# Altium PCB MIC.PcbDoc
Units mil, origin at the board's own origin, x right, y up, seen from the top; angles counter-clockwise.
Board outline 10480 x 1455 mil, 2 copper layers (Top Layer, Bottom Layer); 17 components, 14 nets, 104 pads, 0 vias.
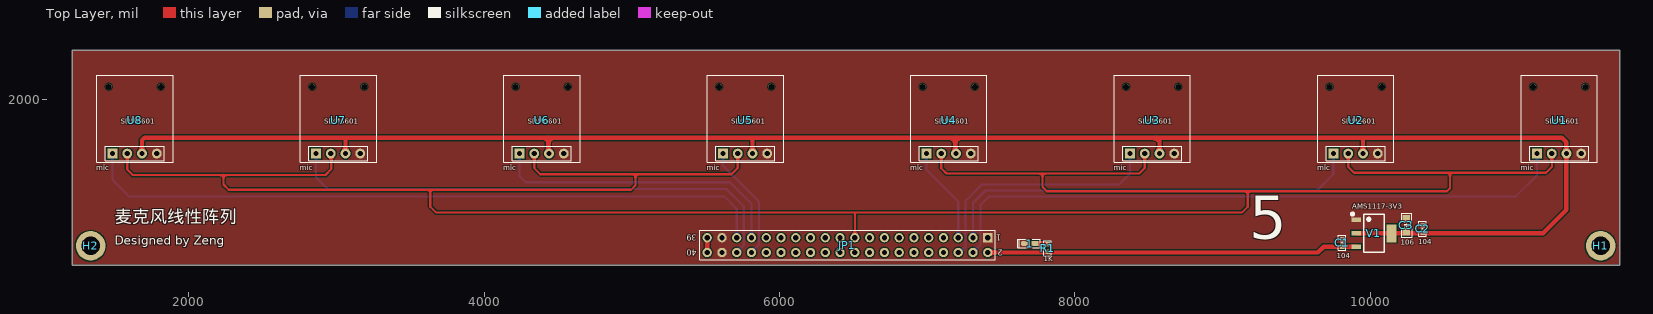
[diagram p0: Top Layer view]
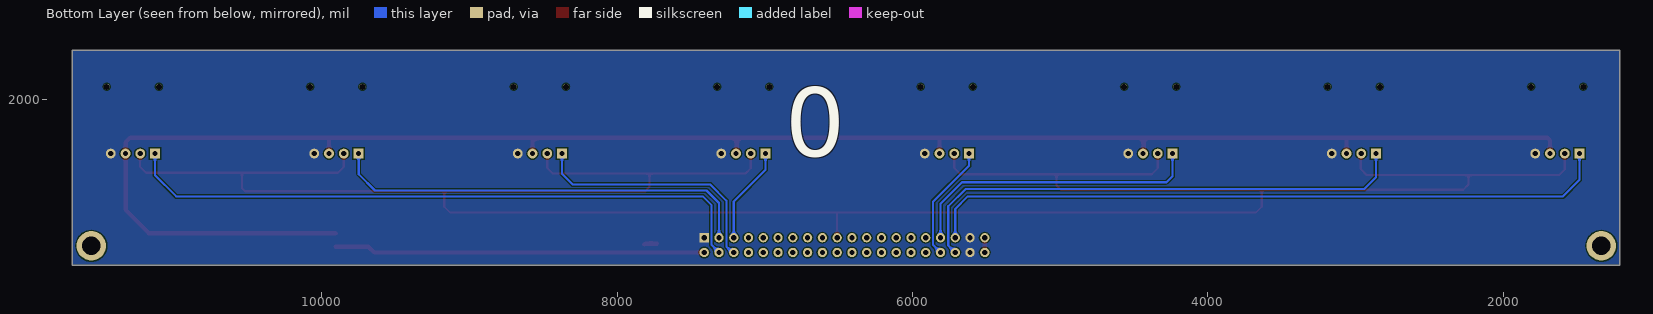
[diagram p1: Bottom Layer view, seen from below]

## Layer stack, top to bottom
Top Solder: solder mask 0.4, Solder Resist, Dk 3.5
Top Layer: signal copper 1.4
Dielectric 1: dielectric 12.6, FR-4, Dk 4.8
Bottom Layer: signal copper 1.4
Bottom Solder: solder mask 0.4, Solder Resist, Dk 3.5

## Board outline
1210,880 1210,2335 11690,2335 11690,880

## Design rules (kind name [scope] priority, off if disabled: settings)
BoardOutlineClearance [All] p1: gap=5 ignorepadtopadclearanceinfootprint=FALSE
Clearance Clearance_2 [InNamedPolygon('24V_L02_P042')] p1: gap=20 ignorepadtopadclearanceinfootprint=FALSE
Clearance Clearance_1 [InNamedPolygon('24V_L02_P042')] p2: gap=10 ignorepadtopadclearanceinfootprint=FALSE except(0: Arc-Hole Track-Hole SMDPad-Hole THPad-Hole Via-Hole Fill-Hole Poly-Hole Region-Hole Text-Hole)
Clearance Clearance_keepoutlayer [(InLayerClass('Signal Layers')) vs (OnLayer('Keep-Out Layer'))] p3: gap=10 ignorepadtopadclearanceinfootprint=FALSE
Clearance Clearance_inpolygon [InPolygon] p4: gap=8 ignorepadtopadclearanceinfootprint=FALSE
Clearance [All] p5: gap=5.5 ignorepadtopadclearanceinfootprint=FALSE
ComponentClearance [All] p1: gap=0 collisioncheckmode=3 verticalgap=0 showdistances=FALSE
HoleSize [All] p1: absolutevalues=TRUE maxlimit=1000 minlimit=1 maxpercent=80.000 minpercent=20.000
HoleToHoleClearance [All] p1: gap=6 allowstackedmicrovias=TRUE
MinimumSolderMaskSliver [All] p1: minsoldermaskwidth=0
PlaneClearance [All] p1: clearance=6
PlaneConnect [All] p1: planeconnectstyle=Direct reliefexpansion=20 reliefentries=4 reliefconductorwidth=10 reliefairgap=10
PolygonConnect [All] p1: connectstyle=Direct reliefconductorwidth=10 reliefentries=4 polygonreliefangle="90 Angle" airgapwidth=10
RoutingVias [All] p1: holewidth=12 width=24 viastyle="Through Hole" minholewidth=11 minwidth=22 maxholewidth=24 maxwidth=40
SilkToSilkClearance [All] p1: silktosilkclearance=1
SilkToSolderMaskClearance [IsPad] p1: minsilkscreentomaskgap=0 clearancetoexposedcopper=TRUE
SolderMaskExpansion [All] p1: expansion=4 istentingtop=FALSE
Width Width_GND [InNet('GND')] p1: maxlimit=100 minlimit=10 preferedwidth=30
Width Width_power [InNetClass('pwr')] p2: maxlimit=100 minlimit=10 preferedwidth=20
Width [All] p3: maxlimit=100 minlimit=6 preferedwidth=10
22 further rules are at their usual default settings.

## Components (designator, comment, footprint, x,y, rotation, side; value= is the part's Value field where it differs from the comment)
1 "蓝色" "LED 0603B" 7695,1025.26 r180 top
C1 "104" "C 0603_L" 9810,1030 r90 top
C2 "104" "C 0603_L" 10355,1125 r90 top
C3 "106" "C 0805_M" 10245,1150 r90 top
H1 "M3" "M3 125X200" 11560,1010 r90 top
H2 "M3" "M3 125X200" 1335,1010 r90 top
JP1 "Header 2X11" HDR2.54-LI-2x20P 6460,1015 r180 top
R1 "1K" "R 0603_L" 7815,994.41 r90 top
U1 "mic" SDM6601 11023.62,1574.8 r0 top
U2 "mic" SDM6601 9645.67,1574.8 r0 top
U3 "mic" SDM6601 8267.72,1574.8 r0 top
U4 "mic" SDM6601 6889.76,1574.8 r0 top
U5 "mic" SDM6601 5511.81,1574.8 r0 top
U6 "mic" SDM6601 4133.86,1574.8 r0 top
U7 "mic" SDM6601 2755.91,1574.8 r0 top
U8 "mic" SDM6601 1377.95,1574.8 r0 top
V1 "AMS1117-3V3" SOT223_L 10025,1095 r270 top

## Footprints (in the part's own frame and the unit in brackets; to place one, negate y for a bottom-side part, rotate by r counter-clockwise, add the part's x,y. Pads: shape width x height; smd on the part's side, far side on the other; paste and mask are expansions set on the pad)
"C 0603_L" [mil] "无极性贴片电容"
  rect 30x30 smd: 1(-25.59,0) 2(25.59,0)
  silkscreen extent -51,-26 51,26, body extent -31,-16 31,16, height 32
"C 0805_M" [mil] "无极性贴片电容"
  rect 50x50 smd: 1(-45,0) 2(45,0)
  silkscreen extent -81,-36 81,36, body extent -39,-24 39,24, height 20
HDR2.54-LI-2x20P [mm] "双排排针，20x2脚"
  rect 1.6x1.6 hole 0.9: 1(-24.13,-1.27)
  round 1.6 hole 0.9: 2(-24.13,1.27) 3(-21.59,-1.27) 4(-21.59,1.27) 5(-19.05,-1.27) 6(-19.05,1.27) 7(-16.51,-1.27) 8(-16.51,1.27) 9(-13.97,-1.27) 10(-13.97,1.27) 11(-11.43,-1.27) 12(-11.43,1.27) 13(-8.89,-1.27) 14(-8.89,1.27) 15(-6.35,-1.27) 16(-6.35,1.27) 17(-3.81,-1.27) 18(-3.81,1.27) 19(-1.27,-1.27) 20(-1.27,1.27) 21(1.27,-1.27) 22(1.27,1.27) 23(3.81,-1.27) 24(3.81,1.27) 25(6.35,-1.27) 26(6.35,1.27) 27(8.89,-1.27) 28(8.89,1.27) 29(11.43,-1.27) 30(11.43,1.27) 31(13.97,-1.27) 32(13.97,1.27) 33(16.51,-1.27) 34(16.51,1.27) 35(19.05,-1.27) 36(19.05,1.27) 37(21.59,-1.27) 38(21.59,1.27) 39(24.13,-1.27) 40(24.13,1.27)
  silkscreen extent -25.4,-2.54 25.4,2.54, body extent -25.4,-2.54 25.4,2.54, height 8.5
"LED 0603B" [mil] "蓝色0603LED"
  rect 50x35 smd: 1(-35,0.26)
  oct 50x35 smd: 2(35,0.26)
  silkscreen extent -71,-28 81,28, body extent -31,-16 32,16, height 24
"M3 125X200" [mil] "M3螺丝孔，孔125Mil，焊盘200Mil"
  round 200 hole 125: 1(0,0)
"R 0603_L" [mil] "1/10W贴片电阻"
  rect 30x30 smd: 1(-25.59,0) 2(25.59,0)
  silkscreen extent -51,-26 51,26, body extent -31,-16 32,16, height 16
SDM6601 [mm]
  round 1 hole 1: 0(2,13) 0(11,13)
  rect 1.7x1.7 hole 0.9: 1(2.667,1.524)
  round 1.7 hole 0.9: 2(5.207,1.524) 3(7.747,1.524) 4(10.287,1.524)
  silkscreen extent 0,-0.01 13.08,14.99
SOT223_L [mm] "6.4x7x1.6mm(长宽高)"
  rect 0.75x1.7 smd: 1(-2.3,-3.048) 2(0,-3.048) 3(2.3,-3.048)
  rect 3.1x1.7 smd: 2(0,3.048)
  silkscreen extent -3.5,-3.88 3.25,1.75, body extent -3.25,-3.51 3.25,3.51, height 1.65

## Part data
1: library part LED-SMD, "贴片LED", BOM名称=贴片LED, 学习资源=www.ooocke.com, 版权归属=源创客
C1 C2 C3: library part C, "无极性贴片电容", BOM名称=无极性贴片电容, 学习资源=www.ooocke.com, 版权归属=源创客
H1 H2: "铜柱孔", BOM名称=铜柱孔, 学习资源=www.ooocke.com, 版权归属=源创客
JP1: library part "Header 20X2", "20*2P接插件", BOM名称=20*2P接插件, 学习资源=www.ooocke.com, 版权归属=源创客
R1: library part R, "贴片电阻", BOM名称=贴片电阻, 学习资源=www.ooocke.com, 版权归属=源创客
U1 U2 U3 U4 U5 U6 U7 U8: library part SDM6601P
V1: library part AMS1117, "三端稳压芯片", BOM名称=稳压芯片, 学习资源=www.ooocke.com, 版权归属=源创客

## Nets (pads, with @x,y where several pads share a name; then routed paths per layer and width w, separated by ;. In a path a pad name is that pad's centre, name@x,y a point inside that pad or via, vN(x,y) a via of type N, cw(c..) or ccw(c..) an arc to the next point about the centre after c; other vN are vias at no path point)
3V3: C2.1 C3.1 U1.3 U2.3 U3.3 U4.3 U5.3 U6.3 U7.3 U8.3 V1.2 | length 12378.6
  Top Layer w30: U8.3 1682.95,1725.38 1700.53,1742.95 3070,1742.95 ; U7.3 3060.91,1733.86 3070,1742.95 ; U6.3 4435,1638.66 4435,1742.95 ; U5.3 5816.81,1726.14 5800,1742.95 ; U4.3 7190,1639.57 7190,1742.95 ; U3.3 8572.72,1720.24 8550,1742.95 ; V1.2@9905,1095 10145,1095 11170,1095 11328.62,1253.62 U1.3 11328.62,1711.38 11297.05,1742.95 9945,1742.95 ; U2.3 9950.67,1737.28 9945,1742.95 ; 3070,1742.95 4435,1742.95 ; 4435,1742.95 5800,1742.95 ; 5800,1742.95 7190,1742.95 ; 7190,1742.95 8550,1742.95 ; 8550,1742.95 9945,1742.95
3V3_I: JP1.39 JP1.40 | length 100
  Top Layer w30: JP1.40 JP1.39
5V: C1.1 JP1.2 R1.1 V1.3 | length 2511.3
  Top Layer w30: JP1.2 9645,965 9684.45,1004.45 V1.3
CLK: JP1.19 U1.2 U2.2 U3.2 U4.2 U5.2 U6.2 U7.2 U8.2 | length 18320.8
  Top Layer w15: U8.2 1582.95,1527.05 1620,1490 2235,1490 ; U7.2 2965,1630.71 2965,1530 2925,1490 2235,1490 ; U6.2 4338.86,1536.14 4380,1495 5025,1495 ; U5.2 5716.81,1536.81 5675,1495 5025,1495 ; JP1.19 6510,1230 ; U4.2 7095,1634.57 7095,1535 7130,1500 7780,1500 ; U3.2 8472.72,1537.72 8435,1500 7780,1500 ; U2.2 9850.67,1544.33 9890,1505 10540,1505 ; U1.2 11230,1633.43 11230,1545 11190,1505 10540,1505 ; 2235,1490 2235,1425 2270,1390 3635,1390 ; 3635,1390 3635,1275 3675,1235 6510,1235 9130,1235 9170,1275 9170,1380 ; 3635,1390 4995,1390 5025,1420 5025,1495 ; 7780,1500 7780,1410 7810,1380 9170,1380 ; 9170,1380 10520,1380 10540,1400 10540,1505
DATA1: JP1.4 U1.1 | length 4328.6
  Bottom Layer w15: JP1.4@7325,970 7325,980 7360,1015 7360,1285 7420,1345 10985,1345 11128.62,1488.62 U1.1
DATA2: JP1.3 U2.1 | length 2895.9
  Bottom Layer w15: JP1.3 7310,1300 7395,1385 9640,1385 9750,1495 9750,1634.13 U2.1
DATA3: JP1.6 U3.1 | length 1685
  Bottom Layer w15: JP1.6@7225,970 7260,1005 7260,1315 7370,1425 8300,1425 8372.72,1497.72 U3.1
DATA4: JP1.5 U4.1 | length 659
  Bottom Layer w15: U4.1 6994.76,1525.24 7210,1310 JP1.5
DATA5: JP1.34 U5.1 | length 791.2
  Bottom Layer w15: U5.1 5616.81,1553.19 5860,1310 5860,1015 JP1.34
DATA6: JP1.33 U6.1 | length 2031.9
  Bottom Layer w15: U6.1 4238.86,1481.14 4280,1440 5665,1440 5810,1295 JP1.33
DATA7: JP1.36 U7.1 | length 3470.9
  Bottom Layer w15: U7.1 2860.91,1474.09 2940,1395 5640,1395 5757.5,1277.5 5757.5,1012.5 JP1.36
DATA8: JP1.35 U8.1 | length 4681.4
  Bottom Layer w15: U8.1 1482.95,1457.05 1595,1345 5625,1345 5710,1260 JP1.35
GND: 1.2 C1.2 C2.2 C3.2 JP1.1 JP1.37 JP1.38 U1.4 U2.4 U3.4 U4.4 U5.4 U6.4 U7.4 U8.4 V1.1
Net1_1: 1.1 R1.2 | length 87.1
  Top Layer w30: 1.1 7810,1025 R1.2
pads on no net: H1.1 H2.1 JP1.7 JP1.8 JP1.9 JP1.10 JP1.11 JP1.12 JP1.13 JP1.14 JP1.15 JP1.16 JP1.17 JP1.18 JP1.20 JP1.21 JP1.22 JP1.23 JP1.24 JP1.25 JP1.26 JP1.27 JP1.28 JP1.29 JP1.30 JP1.31 JP1.32 U1.0 U2.0 U3.0 U4.0 U5.0 U6.0 U7.0 U8.0

## Polygon pours and split planes (outlines as drawn)
GND on Bottom Layer "NONET_L-01_P-001" (solid, remove dead copper, pour order 1): 1030,2680 1050,2700 12385,2700 12385,640 12095,350 850,350
GND on Top Layer "NONET_L-01_P-001" (solid, remove dead copper, pour order 0): 950.41,3205.41 1030.41,3125.41 11785.41,3125.41 11785.41,380.41 11745.41,340.41 11690.41,395.41 795.41,395.41

## Silkscreen, mask and mechanical layers (free items; w line width, h text height)
Top Overlay:
  text "麦克风线性阵列" at 1500,1135.41 h150
  text "Designed by Zeng" at 1500,997.21 h100
  text "5" at 9180,960 h500
Bottom Overlay:
  text "0" at 6860,1465 h800
Mechanical 1:
  the board outline again, w7.87

## Text inside footprints (layer, text, board x,y; h text height)
JP1: Top Overlay "39" at 5440,1085 h40 r180; Top Overlay "40" at 5440,985 h40 r180; Top Overlay "2" at 7510,985 h40 r180; Top Overlay "1" at 7500,1085 h40 r180
U1: Top Overlay "SDM6601" at 11183.62,1824.14 h60
U2: Top Overlay "SDM6601" at 9805.67,1824.14 h60
U3: Top Overlay "SDM6601" at 8427.72,1824.14 h60
U4: Top Overlay "SDM6601" at 7049.76,1824.14 h60
U5: Top Overlay "SDM6601" at 5671.81,1824.14 h60
U6: Top Overlay "SDM6601" at 4293.86,1824.14 h60
U7: Top Overlay "SDM6601" at 2915.91,1824.14 h60
U8: Top Overlay "SDM6601" at 1537.95,1824.14 h60